# Altium PCB POVRotor.PcbDoc (part 1 of 2)
Units mm, origin at the board's own origin, x right, y up, seen from the top; angles counter-clockwise.
Board outline 195 x 22.6 mm, 4 copper layers (Top Layer, 5V, GND, Bottom Layer), stack 0.603 mm thick; 197 components, 249 nets, 925 pads, 272 vias.
Unrouted connection lines stored in the file: 2.
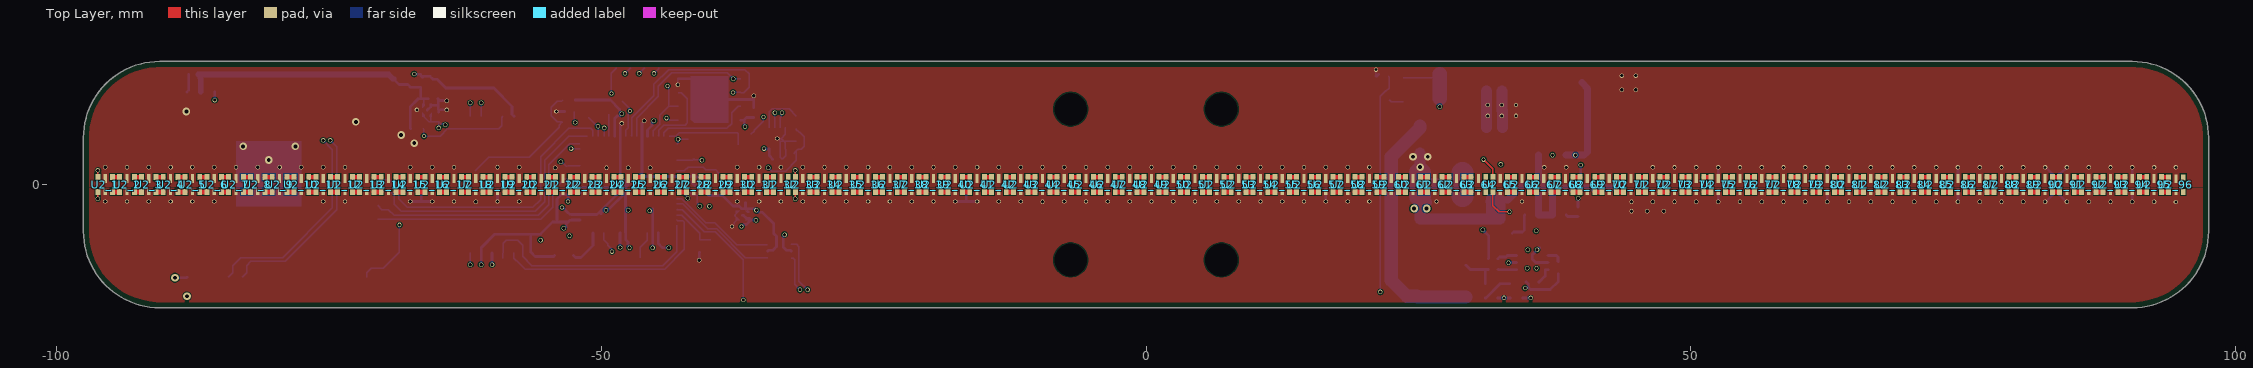
[diagram p0: Top Layer view]
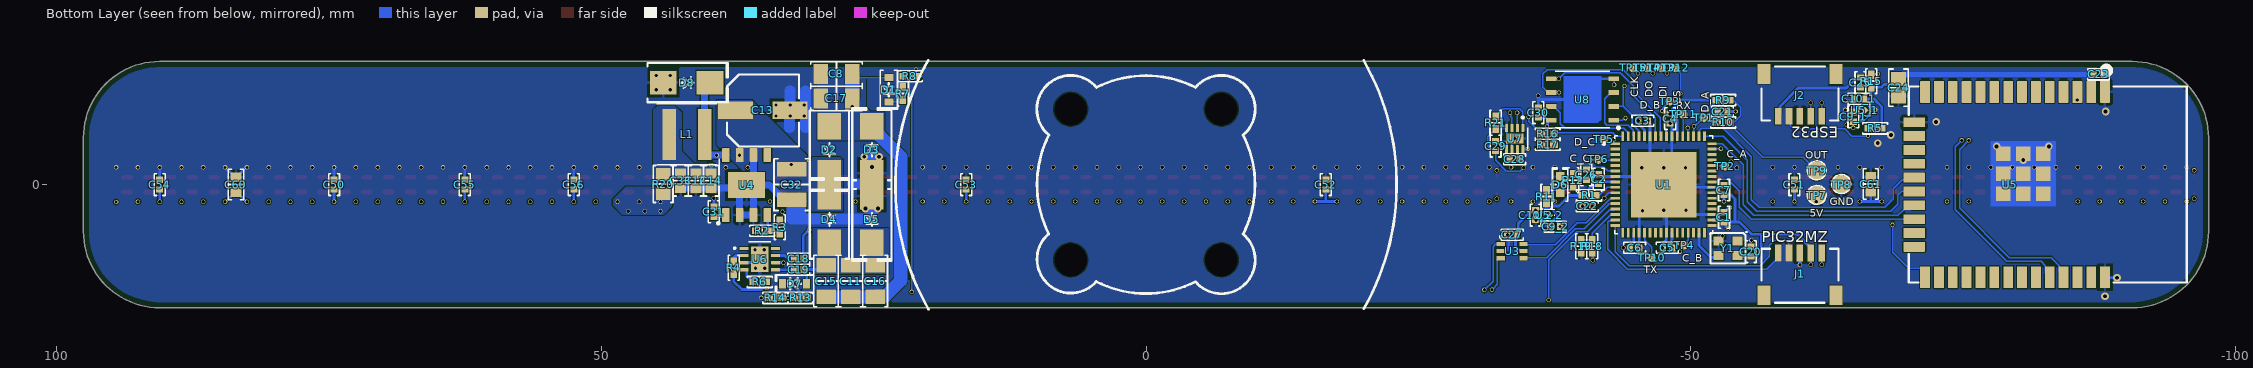
[diagram p1: Bottom Layer view, seen from below]
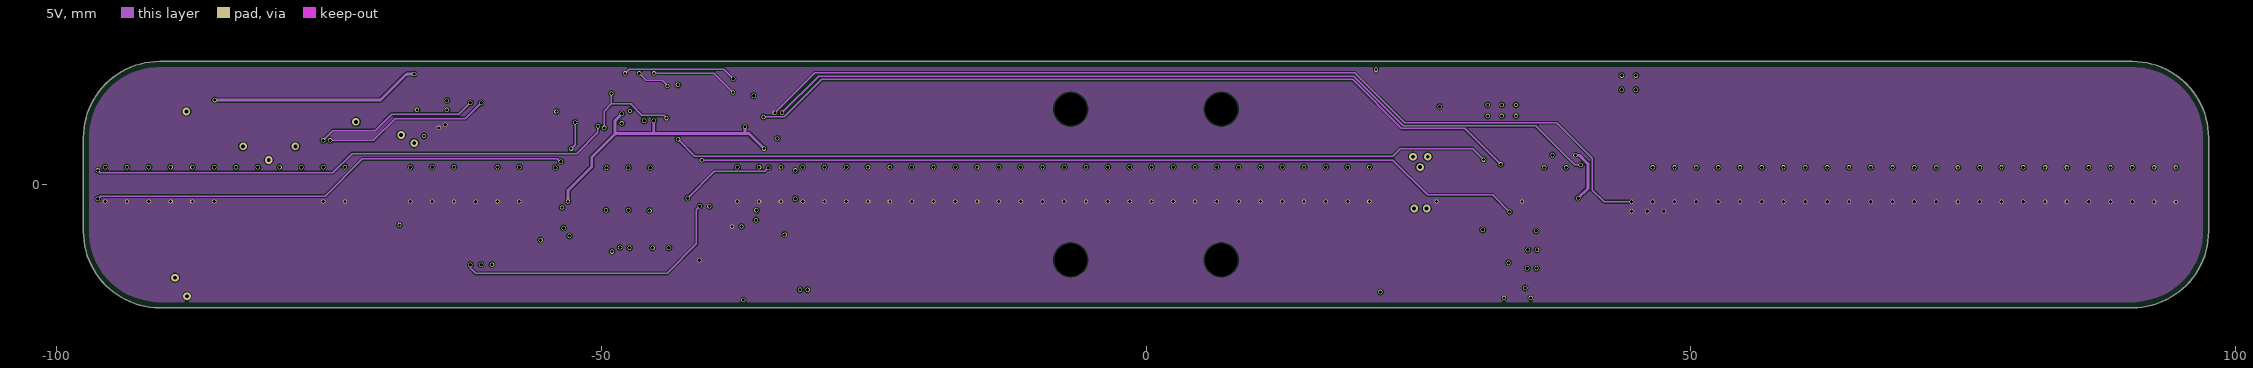
[diagram p2: 5V]
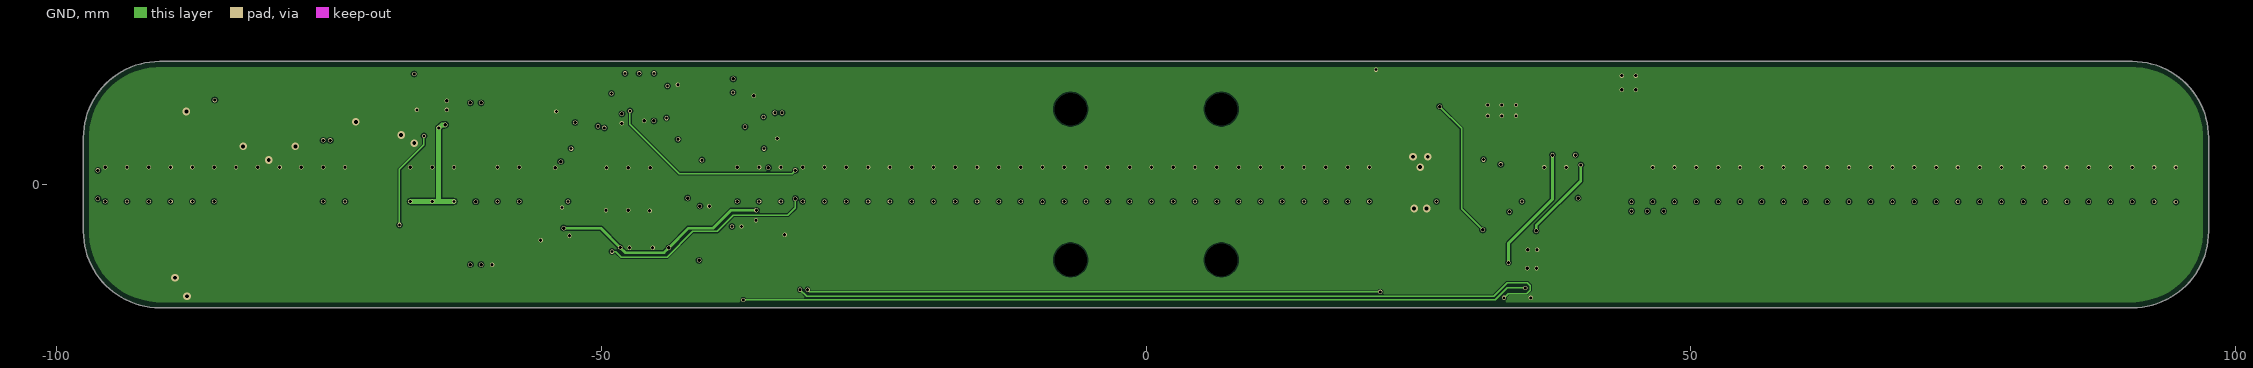
[diagram p3: GND]
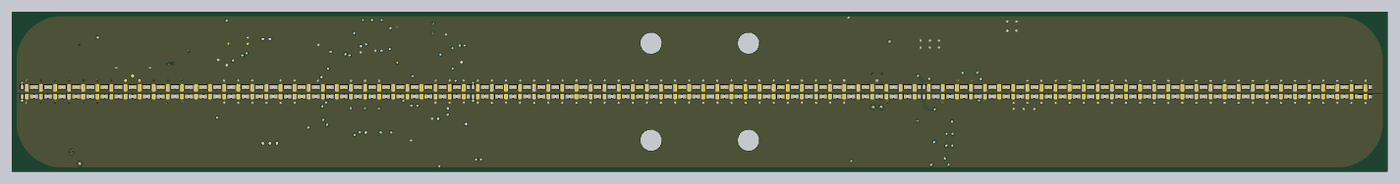
[diagram p5: 3D render of the assembled board from above, using the file's embedded part models]
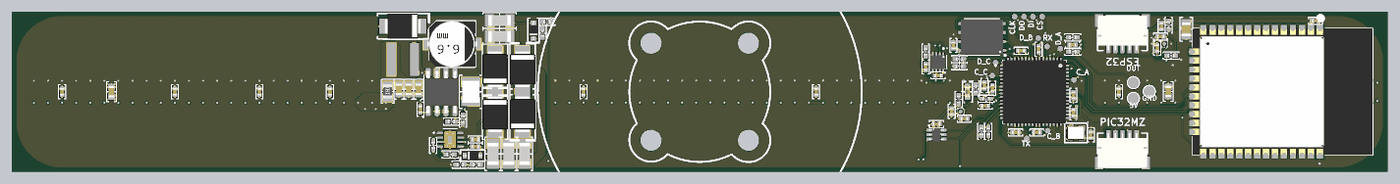
[diagram p6: 3D render of the assembled board from below, using the file's embedded part models]

## Layer stack, top to bottom
Top Solder: solder mask 0.0102, Solder Resist, Dk 3.5
Top Layer: signal copper 0.0356
Dielectric 2: prepreg 0.0711, PP-006, Dk 4.1
5V: signal copper 0.035
Dielectric 1: dielectric 0.32, FR-4, Dk 4.8
GND: signal copper 0.035
Dielectric 3: prepreg 0.0711, PP-006, Dk 4.1
Bottom Layer: signal copper 0.0356
Bottom Solder: solder mask 0.0102, Solder Resist, Dk 3.5

## Board outline
-90.5,-11.3 cw(c-90.5,-4.3) -97.5,-4.3 -97.5,4.3 cw(c-90.5,4.3) -90.5,11.3 90.5,11.3 cw(c90.5,4.3) 97.5,4.3 97.5,-4.3 cw(c90.5,-4.3) 90.5,-11.3

## Design rules (kind name [scope] priority, off if disabled: settings)
BoardOutlineClearance [All] p1: gap=0.512 ignorepadtopadclearanceinfootprint=FALSE
Clearance [All] p1: gap=0.1 ignorepadtopadclearanceinfootprint=TRUE except(0: Arc-Hole Track-Hole SMDPad-Hole THPad-Hole Via-Hole Fill-Hole Poly-Hole Region-Hole Text-Hole)
HoleSize [All] p1: absolutevalues=TRUE maxlimit=15 minlimit=0.025 maxpercent=80.000 minpercent=20.000
PolygonConnect [IsPolygon and not IsNamedPolygon('PolygonDirect')] p1: thpad.connectstyle=Relief thpad.reliefconductorwidth=0.254 thpad.reliefentries=4 thpad.polygonreliefangle="90 Angle" thpad.airgapwidth=0.254 smdpad.connectstyle=Relief smdpad.reliefconductorwidth=0.254 smdpad.reliefentries=4 smdpad.polygonreliefangle="90 Angle" smdpad.airgapwidth=0.254 via.connectstyle=Direct via.reliefconductorwidth=0.254 via.reliefentries=4 via.polygonreliefangle="90 Angle" via.airgapwidth=0.254
PolygonConnect PolygonDirect [(IsNamedPolygon('PolygonDirect'))] p2: connectstyle=Direct reliefconductorwidth=0.254 reliefentries=4 polygonreliefangle="90 Angle" airgapwidth=0.254
RoutingVias [All] p1: holewidth=0.35 width=0.7 viastyle="Through Hole" minholewidth=0.3 minwidth=0.4 maxholewidth=2 maxwidth=2.5
SilkToSilkClearance [All] p1: silktosilkclearance=0.1
SolderMaskExpansion [All] p1: expansion=0.102 istentingtop=FALSE
Width [All] p1: maxlimit=5 minlimit=0.128 preferedwidth=0.254
28 further rules are at their usual default settings.

## Classes and differential pairs
channel class 3V3_LDO: U_3V3_LDO1 U_3V3_LDO2
component class U_3V3_LDO2: C9_2 C10_2 U5_2
component class U_3V3_LDO1: C9_1 C10_1 U5_1
component class U_PIC32MZ: C1 C2 C3 C4 C5 C6 C7 C20 C21 C22 C26 C30 D6 J1 R1 R9 R10 R11 R12 TP7 TP8 TP9 TP10 TP11 TP12 TP13 TP14 TP15 U1 U8 Y1
net class DI_C[66..96]: DI_C66 DI_C67 DI_C68 DI_C69 DI_C70 DI_C71 DI_C72 DI_C73 DI_C74 DI_C75 DI_C76 DI_C77 DI_C78 DI_C79 DI_C80 DI_C81 DI_C82 DI_C83 DI_C84 DI_C85 DI_C86 DI_C87 DI_C88 DI_C89 DI_C90 DI_C91 DI_C92 DI_C93 DI_C94 DI_C95 DI_C96
net class DI_B[34..64]: DI_B34 DI_B35 DI_B36 DI_B37 DI_B38 DI_B39 DI_B40 DI_B41 DI_B42 DI_B43 DI_B44 DI_B45 DI_B46 DI_B47 DI_B48 DI_B49 DI_B50 DI_B51 DI_B52 DI_B53 DI_B54 DI_B55 DI_B56 DI_B57 DI_B58 DI_B59 DI_B60 DI_B61 DI_B62 DI_B63 DI_B64
net class CI_C[66..96]: CI_C66 CI_C67 CI_C68 CI_C69 CI_C70 CI_C71 CI_C72 CI_C73 CI_C74 CI_C75 CI_C76 CI_C77 CI_C78 CI_C79 CI_C80 CI_C81 CI_C82 CI_C83 CI_C84 CI_C85 CI_C86 CI_C87 CI_C88 CI_C89 CI_C90 CI_C91 CI_C92 CI_C93 CI_C94 CI_C95 CI_C96
net class CI_B[34..64]: CI_B34 CI_B35 CI_B36 CI_B37 CI_B38 CI_B39 CI_B40 CI_B41 CI_B42 CI_B43 CI_B44 CI_B45 CI_B46 CI_B47 CI_B48 CI_B49 CI_B50 CI_B51 CI_B52 CI_B53 CI_B54 CI_B55 CI_B56 CI_B57 CI_B58 CI_B59 CI_B60 CI_B61 CI_B62 CI_B63 CI_B64
net class DI_A[2..32]: DI_A2 DI_A3 DI_A4 DI_A5 DI_A6 DI_A7 DI_A8 DI_A9 DI_A10 DI_A11 DI_A12 DI_A13 DI_A14 DI_A15 DI_A16 DI_A17 DI_A18 DI_A19 DI_A20 DI_A21 DI_A22 DI_A23 DI_A24 DI_A25 DI_A26 DI_A27 DI_A28 DI_A29 DI_A30 DI_A31 DI_A32
net class CI_A[2..32]: CI_A2 CI_A3 CI_A4 CI_A5 CI_A6 CI_A7 CI_A8 CI_A9 CI_A10 CI_A11 CI_A12 CI_A13 CI_A14 CI_A15 CI_A16 CI_A17 CI_A18 CI_A19 CI_A20 CI_A21 CI_A22 CI_A23 CI_A24 CI_A25 CI_A26 CI_A27 CI_A28 CI_A29 CI_A30 CI_A31 CI_A32
component class U_APA10296: U2_96
component class U_APA10295: U2_95
component class U_APA10294: U2_94
component class U_APA10293: U2_93
component class U_APA10292: U2_92
component class U_APA10291: U2_91
component class U_APA10290: U2_90
component class U_APA10289: U2_89
component class U_APA10288: U2_88
component class U_APA10287: U2_87
component class U_APA10286: U2_86
component class U_APA10285: U2_85
component class U_APA10284: U2_84
component class U_APA10283: U2_83
component class U_APA10282: U2_82
component class U_APA10281: U2_81
component class U_APA10280: U2_80
component class U_APA10279: U2_79
component class U_APA10278: U2_78
component class U_APA10277: U2_77
component class U_APA10276: U2_76
component class U_APA10275: U2_75
channel class APA102: U_APA1021 U_APA1022 U_APA1023 U_APA1024 U_APA1025 U_APA1026 U_APA1027 U_APA1028 U_APA1029 U_APA10210 U_APA10211 U_APA10212 U_APA10213 U_APA10214 U_APA10215 U_APA10216 U_APA10217 U_APA10218 U_APA10219 U_APA10220 U_APA10221 U_APA10222 U_APA10223 U_APA10224 U_APA10225 U_APA10226 U_APA10227 U_APA10228 U_APA10229 U_APA10230 U_APA10231 U_APA10232 U_APA10233 U_APA10234 U_APA10235 U_APA10236 U_APA10237 U_APA10238 U_APA10239 U_APA10240 U_APA10241 U_APA10242 U_APA10243 U_APA10244 U_APA10245 U_APA10246 U_APA10247 U_APA10248 U_APA10249 U_APA10250 U_APA10251 U_APA10252 U_APA10253 U_APA10254 U_APA10255 U_APA10256 U_APA10257 U_APA10258 U_APA10259 U_APA10260 U_APA10261 U_APA10262 U_APA10263 U_APA10264 U_APA10265 U_APA10266 U_APA10267 U_APA10268 U_APA10269 U_APA10270 U_APA10271 U_APA10272 U_APA10273 U_APA10274 U_APA10275 U_APA10276 U_APA10277 U_APA10278 U_APA10279 U_APA10280 U_APA10281 U_APA10282 U_APA10283 U_APA10284 U_APA10285 U_APA10286 U_APA10287 U_APA10288 U_APA10289 U_APA10290 U_APA10291 U_APA10292 U_APA10293 U_APA10294 U_APA10295 U_APA10296
component class U_APA10274: U2_74
component class U_APA10273: U2_73
component class U_APA10272: U2_72
component class U_APA10271: U2_71
component class U_APA10270: U2_70
component class U_APA10269: U2_69
component class U_APA10268: U2_68
component class U_APA10267: U2_67
component class U_APA10266: U2_66
component class U_APA10265: U2_65
component class U_APA10264: U2_64
component class U_APA10263: U2_63
component class U_APA10262: U2_62
component class U_APA10261: U2_61
component class U_APA10260: U2_60
component class U_APA10259: U2_59
component class U_APA10258: U2_58
component class U_APA10257: U2_57
component class U_APA10256: U2_56
component class U_APA10255: U2_55
component class U_APA10254: U2_54
component class U_APA10253: U2_53
component class U_APA10252: U2_52
component class U_APA10251: U2_51
component class U_APA10250: U2_50
component class U_APA10249: U2_49
component class U_APA10248: U2_48
component class U_APA10247: U2_47
component class U_APA10246: U2_46
component class U_APA10245: U2_45
component class U_APA10244: U2_44
component class U_APA10243: U2_43
component class U_APA10242: U2_42
component class U_APA10241: U2_41
component class U_APA10240: U2_40
component class U_APA10239: U2_39
component class U_APA10238: U2_38
component class U_APA10237: U2_37
component class U_APA10236: U2_36
component class U_APA10235: U2_35
component class U_APA10234: U2_34
component class U_APA10233: U2_33
component class U_APA10232: U2_32
component class U_APA10231: U2_31
component class U_APA10230: U2_30
component class U_APA10229: U2_29
component class U_APA10228: U2_28
component class U_APA10227: U2_27
component class U_APA10226: U2_26
component class U_APA10225: U2_25
component class U_APA10224: U2_24
component class U_APA10223: U2_23
component class U_APA10222: U2_22
component class U_APA10221: U2_21
component class U_APA10220: U2_20
component class U_APA10219: U2_19
component class U_APA10218: U2_18
component class U_APA10217: U2_17
component class U_APA10216: U2_16
component class U_APA10215: U2_15
component class U_APA10214: U2_14
component class U_APA10213: U2_13
component class U_APA10212: U2_12
component class U_APA10211: U2_11
component class U_APA10210: U2_10
component class U_APA1029: U2_9
component class U_APA1028: U2_8
component class U_APA1027: U2_7
component class U_APA1026: U2_6
component class Top: C8 C11 C12 C13 C14 C15 C16 C17 C18 C19 C27 C28 C29 C31 C32 C33 C50 C51 C52 C53 C54 C55 C56 C60 C61 D1 D2 D3 D4 D5 D7 D8 IC1 L1 R2 R3 R4 R6 R7 R8 R13 R14 R16 R17 R18 R19 R20 R21 TP1 TP2 TP3 TP4 TP5 TP6 U3 U4 U6 U7
component class U_APA1025: U2_5
component class U_APA1024: U2_4
component class U_APA1023: U2_3
component class U_APA1022: U2_2
component class U_APA1021: U2_1
component class U_ESP32: C23 C24 C25 J2 R5 R15 U5

## Components (designator, comment, footprint, x,y, rotation, side; value= is the part's Value field where it differs from the comment)
C1 "0.1 µF" "CAP 0402_1005" -53.035,-3 r270 bottom
C2 "0.1 µF" "CAP 0402_1005" -41.535,0.5 r270 bottom
C3 "0.1 µF" "CAP 0402_1005" -45.6,5.85 r0 bottom
C4 "0.1 µF" "CAP 0402_1005" -48.1,6.05 r90 bottom
C5 "0.1 µF" "CAP 0402_1005" -47.835,-5.8 r180 bottom
C6 "0.1 µF" "CAP 0402_1005" -44.835,-5.8 r0 bottom
C7 "0.1 µF" "CAP 0402_1005" -53.035,-0.5 r270 bottom
C8 "=Value" "CAP 1206_3216 - 0.8MM" 28.4,10.15 r180 bottom
C9_1 "2.2 µF" "CAP 0402_1005" -64.91,6.22 r270 bottom (schematic designator C9)
C9_2 "2.2 µF" "CAP 0402_1005" -37.55,-3.85 r180 bottom (schematic designator C9)
C10_1 "2.2 µF" "CAP 0402_1005" -65.41,7.87 r180 bottom (schematic designator C10)
C10_2 "2.2 µF" "CAP 0402_1005" -35.75,-2.8 r90 bottom (schematic designator C10)
C11 "=Value" "CAP 1206_3216 - 0.8MM" 27.1,-8.85 r270 bottom
C12 "22 µF" "CAP 0603_1608" 41.3,0.35 r90 bottom
C13 "47µF" "CAP ALSMD 6.6MM H6.1MM" 35.15,6.8 r180 bottom
C14 "22 µF" "CAP 0603_1608" 39.9,0.35 r90 bottom
C15 "=Value" "CAP 1206_3216 - 0.8MM" 29.35,-8.85 r270 bottom
C16 "=Value" "CAP 1206_3216 - 0.8MM" 24.85,-8.85 r270 bottom
C17 "=Value" "CAP 1206_3216 - 0.8MM" 28.4,7.9 r180 bottom
C18 "0.1 µF" "CAP 0402_1005" 31.85,-6.8 r180 bottom
C19 "0.1 µF" "CAP 0402_1005" 31.85,-7.8 r180 bottom
C20 "0.1 µF" "CAP 0402_1005" -55.5,-6.15 r270 bottom
C21 "0.1 µF" "CAP 0402_1005" -52.9,6.7 r180 bottom
C22 "0.1 µF" "CAP 0402_1005" -40.5,-2 r180 bottom
C23 "0.1 µF" "CAP 0402_1005" -87.4,10.1 r0 bottom
C24 "22µF" "CAP 0805_2012" -69.05,8.9 r90 bottom
C25 "0.1 µF" "CAP 0402_1005" -65.55,9.35 r90 bottom
C26 "0.1 µF" "CAP 0402_1005" -40.4,0.9 r270 bottom
C27 "0.1 µF" "CAP 0402_1005" -33.6,-4.6 r180 bottom
C28 "0.1 µF" "CAP 0402_1005" -33.825,2.325 r180 bottom
C29 "1 µF" "CAP 0402_1005" -32.075,3.525 r90 bottom
C30 "0.1 µF" "CAP 0402_1005" -36,6.6 r270 bottom
C31 "1 µF" "CAP 0402_1005" 39.65,-2.5 r270 bottom
C32 "10 µF" "CAP 1210_3225 - 1MM" 32.5,0 r90 bottom
C33 "22 µF" "CAP 0603_1608" 42.7,0.35 r90 bottom
C50 "1 µF" "CAP 0402_1005" 74.5,0 r270 bottom
C51 "1 µF" "CAP 0402_1005" -59.5,0 r270 bottom
C52 "1 µF" "CAP 0402_1005" -16.5,0 r270 bottom
C53 "1 µF" "CAP 0402_1005" 16.5,0 r270 bottom
C54 "1 µF" "CAP 0402_1005" 90.5,0 r270 bottom
C55 "1 µF" "CAP 0402_1005" 62.5,0 r270 bottom
C56 "1 µF" "CAP 0402_1005" 52.5,0 r270 bottom
C60 "22 µF" "CAP 0603_1608" 83.5,0 r270 bottom
C61 "22 µF" "CAP 0603_1608" -66.5,0.05 r270 bottom
D1 "CUS520" SOD323 23.6,8.7 r270 bottom
D2 "STPS340UY" "DO214AA SMB" 29.05,3.2 r270 bottom
D3 "STPS340UY" "DO214AA SMB" 25.15,3.2 r90 bottom
D4 "STPS340UY" "DO214AA SMB" 29.05,-3.2 r90 bottom
D5 "STPS340UY" "DO214AA SMB" 25.15,-3.2 r270 bottom
D6 "Red" "LED 0603_1608 RED" -38,0 r90 bottom
D7 "CUS520" SOD323 32.25,-9.1 r0 bottom
D8 "STPS340UY" "DO214AA SMB" 42.15,9.35 r180 bottom
J1 "SM05B-SRSS-TB(LF)(SN)" "JST SM05B-SRSS-TB" -60,-8.3 r0 bottom
J2 "SM05B-SRSS-TB(LF)(SN)" "JST SM05B-SRSS-TB" -60,8.3 r180 bottom
L1 "MPL-AL5050-5R6" MPL-AL5050-5R6 42.125,4.6 r0 bottom
R1 "10 kOhms" "RES 0402_1005" -40.65,-1 r0 bottom
R2 "100 kOhms" "RES 0402_1005" 35.225,-4.25 r0 bottom
R3 "32.3 kOhms" "RES 0402_1005" 33.6,-3.9 r270 bottom
R4 "33Ohm" "RES 0402_1005" 37.837,-7.638 r90 bottom
R5 "10 kOhms" "RES 0402_1005" -66.9,5.15 r180 bottom
R6 "33Ohm" "RES 0402_1005" 35.437,-8.938 r0 bottom
R7 "40 kOhms" "RES 0402_1005" 22.3,8.35 r270 bottom
R8 "15 kOhms" "RES 0402_1005" 21.675,9.95 r0 bottom
R9 "10 kOhms" "RES 0402_1005" -52.95,7.75 r0 bottom
R10 "3.3kOhms" "RES 0402_1005" -52.95,5.7 r180 bottom
R11 "10 kOhms" "RES 0402_1005" -36.75,-1.1 r270 bottom
R12 "3.3kOhms" "RES 0402_1005" -39.2,0.4 r270 bottom
R13 "40 kOhms" "RES 0402_1005" 31.7,-10.4 r180 bottom
R14 "15 kOhms" "RES 0402_1005" 34,-10.4 r180 bottom
R15 "10 kOhms" "RES 0402_1005" -66.55,9.5 r90 bottom
R16 "40k" "RES 0402_1005" -36.85,4.65 r0 bottom
R17 "10k" "RES 0402_1005" -36.85,3.65 r0 bottom
R18 "10k" "RES 0402_1005" -40.95,-5.65 r270 bottom
R19 "10k" "RES 0402_1005" -39.95,-5.65 r270 bottom
R20 "0.01Ohms" "RES 0805_2012" 44.3,0.05 r270 bottom value="27 mOhms"
R21 "1k" "RES 0402_1005" -32.075,5.675 r90 bottom
TP1 "0.8mm" "TP  0.8mm" -51.185,6.15 r180 bottom
TP2 "0.8mm" "TP  0.8mm" -53.106,1.681 r180 bottom
TP3 "0.8mm" "TP  0.8mm" -48.05,7.65 r180 bottom
TP4 "0.8mm" "TP  0.8mm" -49.385,-5.55 r180 bottom
TP5 "0.8mm" "TP  0.8mm" -42,4.15 r180 bottom
TP6 "0.8mm" "TP  0.8mm" -41.5,2.3 r180 bottom
TP7 "TP" TP -61.55,-0.95 r270 bottom
TP8 "TP" TP -63.8,0.05 r270 bottom
TP9 "TP" TP -61.55,1.3 r270 bottom
TP10 "0.8mm" "TP  0.8mm" -46.4,-6.7 r90 bottom
TP11 "0.8mm" "TP  0.8mm" -49.3,6.45 r90 bottom
TP12 "0.8mm" "TP  0.8mm" -48.6,10.7 r180 bottom
TP13 "0.8mm" "TP  0.8mm" -47.3,10.7 r180 bottom
TP14 "0.8mm" "TP  0.8mm" -46,10.7 r180 bottom
TP15 "0.8mm" "TP  0.8mm" -44.7,10.7 r180 bottom
U1 "PIC32MZ0512EFE064" QFN50P900X900X100-65N -47.5,0 r180 bottom
U2_1 "APA 102 2020" LED_APA-102-1515 -95.5,0 r180 top (schematic designator U2)
U2_2 "APA 102 2020" LED_APA-102-1515 -93.5,0 r180 top (schematic designator U2)
U2_3 "APA 102 2020" LED_APA-102-1515 -91.5,0 r180 top (schematic designator U2)
U2_4 "APA 102 2020" LED_APA-102-1515 -89.5,0 r180 top (schematic designator U2)
U2_5 "APA 102 2020" LED_APA-102-1515 -87.5,0 r180 top (schematic designator U2)
U2_6 "APA 102 2020" LED_APA-102-1515 -85.5,0 r180 top (schematic designator U2)
U2_7 "APA 102 2020" LED_APA-102-1515 -83.5,0 r180 top (schematic designator U2)
U2_8 "APA 102 2020" LED_APA-102-1515 -81.5,0 r180 top (schematic designator U2)
U2_9 "APA 102 2020" LED_APA-102-1515 -79.5,0 r180 top (schematic designator U2)
U2_10 "APA 102 2020" LED_APA-102-1515 -77.5,0 r180 top (schematic designator U2)
U2_11 "APA 102 2020" LED_APA-102-1515 -75.5,0 r180 top (schematic designator U2)
U2_12 "APA 102 2020" LED_APA-102-1515 -73.5,0 r180 top (schematic designator U2)
U2_13 "APA 102 2020" LED_APA-102-1515 -71.5,0 r180 top (schematic designator U2)
U2_14 "APA 102 2020" LED_APA-102-1515 -69.5,0 r180 top (schematic designator U2)
U2_15 "APA 102 2020" LED_APA-102-1515 -67.5,0 r180 top (schematic designator U2)
U2_16 "APA 102 2020" LED_APA-102-1515 -65.5,0 r180 top (schematic designator U2)
U2_17 "APA 102 2020" LED_APA-102-1515 -63.5,0 r180 top (schematic designator U2)
U2_18 "APA 102 2020" LED_APA-102-1515 -61.5,0 r180 top (schematic designator U2)
U2_19 "APA 102 2020" LED_APA-102-1515 -59.5,0 r180 top (schematic designator U2)
U2_20 "APA 102 2020" LED_APA-102-1515 -57.5,0 r180 top (schematic designator U2)
U2_21 "APA 102 2020" LED_APA-102-1515 -55.5,0 r180 top (schematic designator U2)
U2_22 "APA 102 2020" LED_APA-102-1515 -53.5,0 r180 top (schematic designator U2)
U2_23 "APA 102 2020" LED_APA-102-1515 -51.5,0 r180 top (schematic designator U2)
U2_24 "APA 102 2020" LED_APA-102-1515 -49.5,0 r180 top (schematic designator U2)
U2_25 "APA 102 2020" LED_APA-102-1515 -47.5,0 r180 top (schematic designator U2)
U2_26 "APA 102 2020" LED_APA-102-1515 -45.5,0 r180 top (schematic designator U2)
U2_27 "APA 102 2020" LED_APA-102-1515 -43.5,0 r180 top (schematic designator U2)
U2_28 "APA 102 2020" LED_APA-102-1515 -41.5,0 r180 top (schematic designator U2)
U2_29 "APA 102 2020" LED_APA-102-1515 -39.5,0 r180 top (schematic designator U2)
U2_30 "APA 102 2020" LED_APA-102-1515 -37.5,0 r180 top (schematic designator U2)
U2_31 "APA 102 2020" LED_APA-102-1515 -35.5,0 r180 top (schematic designator U2)
U2_32 "APA 102 2020" LED_APA-102-1515 -33.5,0 r180 top (schematic designator U2)
U2_33 "APA 102 2020" LED_APA-102-1515 -31.5,0 r180 top (schematic designator U2)
U2_34 "APA 102 2020" LED_APA-102-1515 -29.5,0 r180 top (schematic designator U2)
U2_35 "APA 102 2020" LED_APA-102-1515 -27.5,0 r180 top (schematic designator U2)
U2_36 "APA 102 2020" LED_APA-102-1515 -25.5,0 r180 top (schematic designator U2)
U2_37 "APA 102 2020" LED_APA-102-1515 -23.5,0 r180 top (schematic designator U2)
U2_38 "APA 102 2020" LED_APA-102-1515 -21.5,0 r180 top (schematic designator U2)
U2_39 "APA 102 2020" LED_APA-102-1515 -19.5,0 r180 top (schematic designator U2)
U2_40 "APA 102 2020" LED_APA-102-1515 -17.5,0 r180 top (schematic designator U2)
U2_41 "APA 102 2020" LED_APA-102-1515 -15.5,0 r180 top (schematic designator U2)
U2_42 "APA 102 2020" LED_APA-102-1515 -13.5,0 r180 top (schematic designator U2)
U2_43 "APA 102 2020" LED_APA-102-1515 -11.5,0 r180 top (schematic designator U2)
U2_44 "APA 102 2020" LED_APA-102-1515 -9.5,0 r180 top (schematic designator U2)
U2_45 "APA 102 2020" LED_APA-102-1515 -7.5,0 r180 top (schematic designator U2)
U2_46 "APA 102 2020" LED_APA-102-1515 -5.5,0 r180 top (schematic designator U2)
U2_47 "APA 102 2020" LED_APA-102-1515 -3.5,0 r180 top (schematic designator U2)
U2_48 "APA 102 2020" LED_APA-102-1515 -1.5,0 r180 top (schematic designator U2)
U2_49 "APA 102 2020" LED_APA-102-1515 0.5,0 r180 top (schematic designator U2)
U2_50 "APA 102 2020" LED_APA-102-1515 2.5,0 r180 top (schematic designator U2)
U2_51 "APA 102 2020" LED_APA-102-1515 4.5,0 r180 top (schematic designator U2)
U2_52 "APA 102 2020" LED_APA-102-1515 6.5,0 r180 top (schematic designator U2)
U2_53 "APA 102 2020" LED_APA-102-1515 8.5,0 r180 top (schematic designator U2)
U2_54 "APA 102 2020" LED_APA-102-1515 10.5,0 r180 top (schematic designator U2)